# Allegro board 1281021_HW-FMC-XM500_Rev1_0.brd (continued)
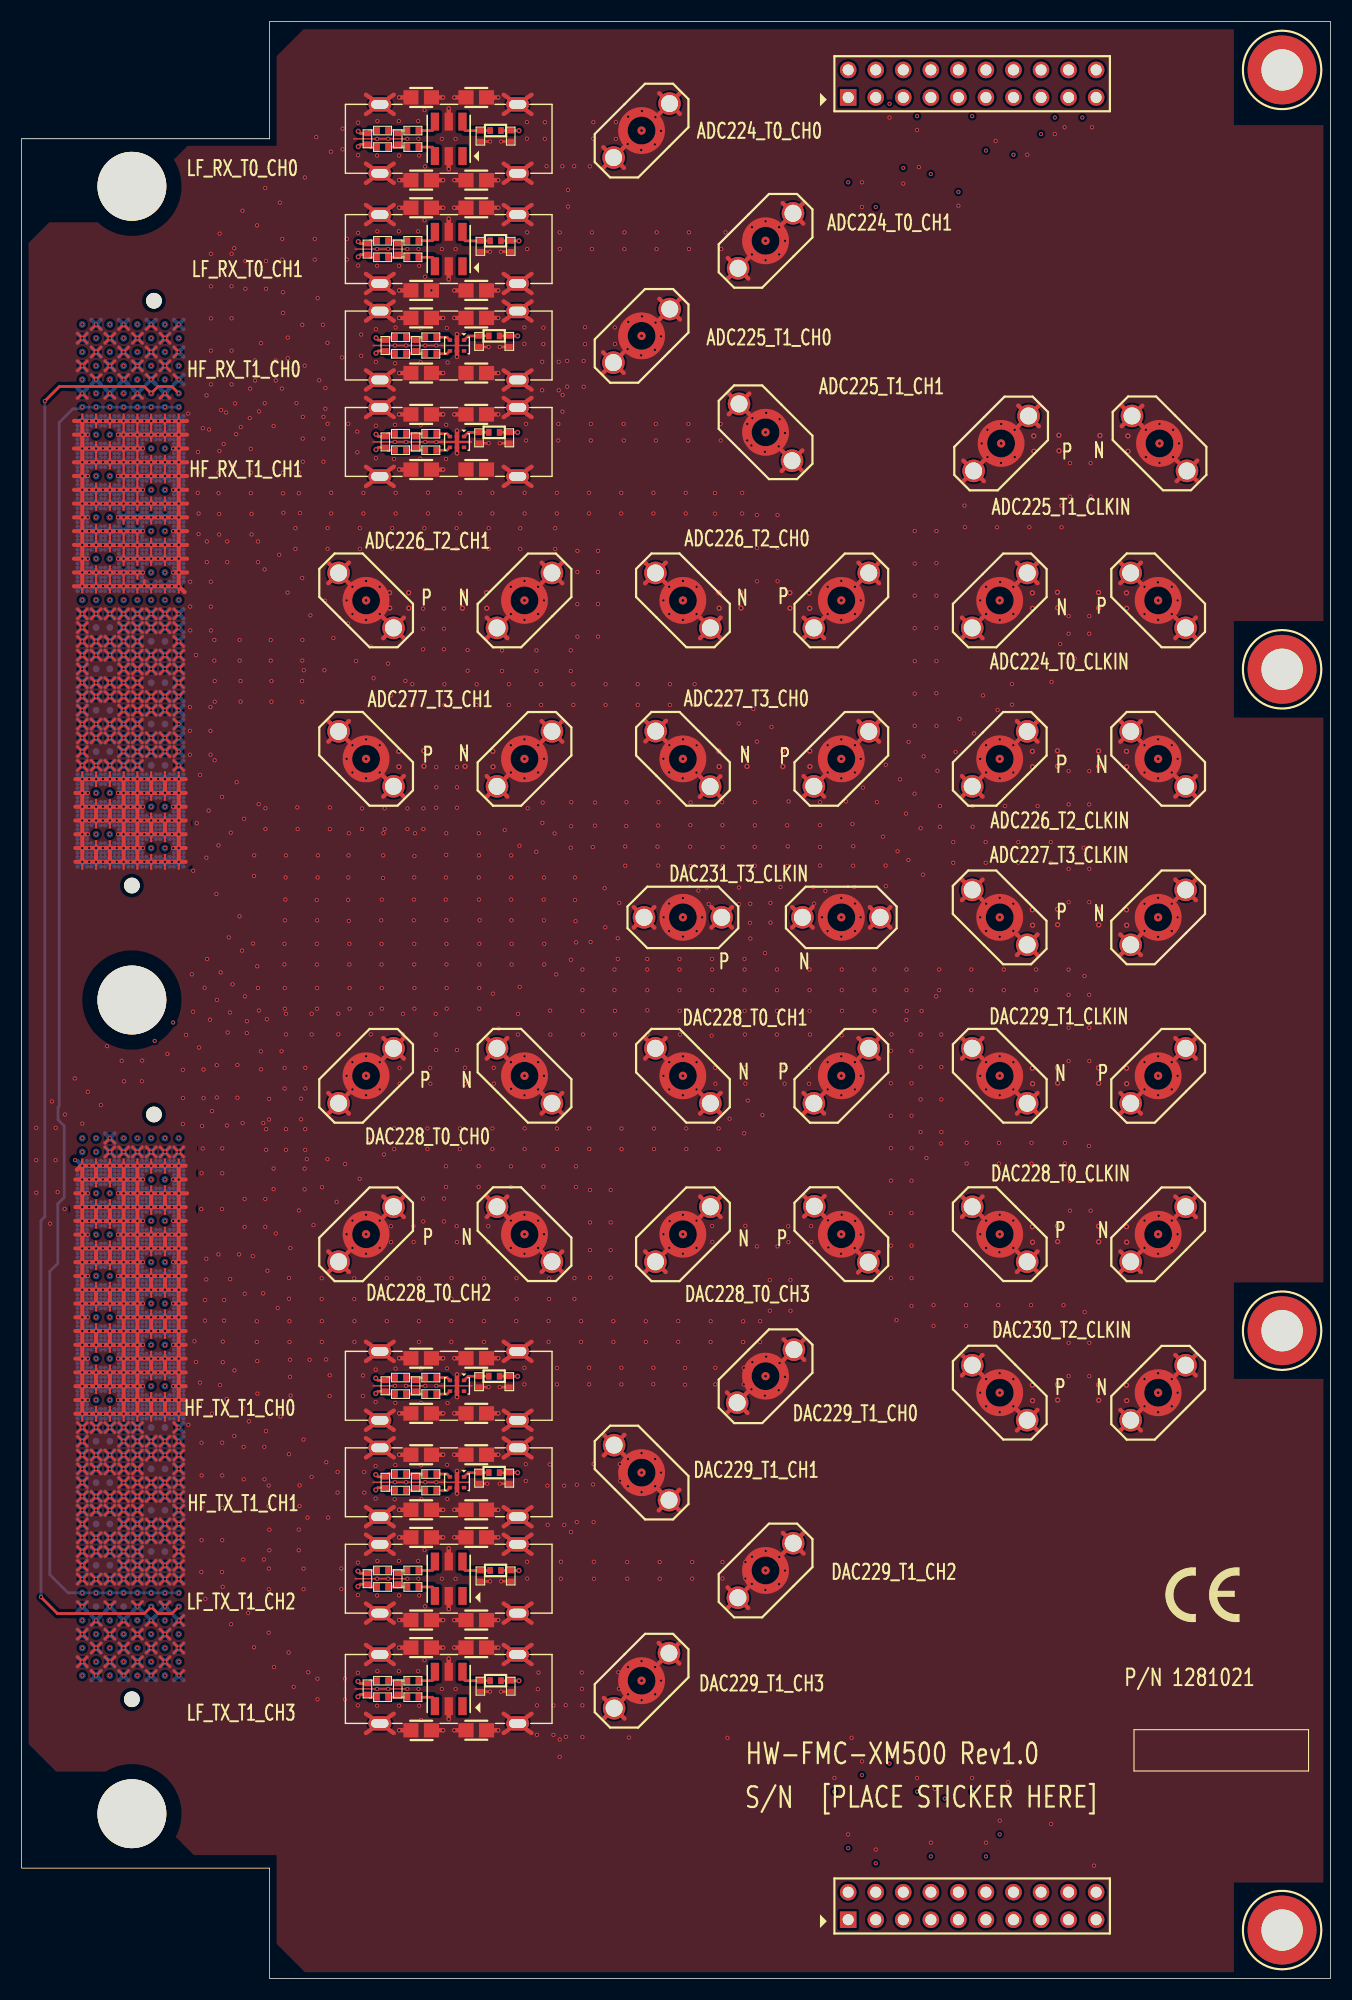
[diagram p0: board, top side]
## Routing (per net, layer and track width the routed paths; a pad name or vN(x,y) marks a point on that pad's centre or on a via; arc(x,y) is an arc through that point) (continued)
  TOP w0.241: R107.2 v2(44.07,54.49) ; R104.2 v2(43.18,36.58) ; R108.2 v2(43.05,54.49) ; v2(43.05,150.37) 42.17,150.37 R98.2 ; R95.2 v2(44.07,141.49) ; R109.2 44.95,45.59 v2(44.07,45.59) ; R102.2 v2(43.18,169.3) ; R99.2 v2(44.2,159.14) ; R110.2 42.17,45.59 v2(42.93,45.59) ; R100.2 v2(43.18,159.14) ; v2(44.07,150.37) 44.95,150.37 R97.2 ; R103.2 v2(44.2,36.58) ; R105.2 v2(44.2,26.42) ; R96.2 v2(43.05,141.49) ; R101.2 v2(44.2,169.3) ; R106.2 v2(43.18,26.42)
  TOP w0.381: v2(11.94,72.36) v2(11.3,72.36) v2(10.67,72.36) ; v2(11.94,72.36) v2(12.57,72.36) v2(13.21,72.36) ; v2(11.94,72.36) v2(11.94,71.09) ; v2(14.48,130.84) v2(13.84,130.84) v2(13.21,130.84) v2(12.57,130.84) v2(11.94,130.84) v2(11.3,130.84) v2(10.67,130.84) v2(10.03,130.84) v2(9.4,130.84) v2(8.89,130.84) ; v2(14.48,130.84) v2(14.48,129.57) ; v2(14.48,130.84) v2(14.48,132.11) ; v2(14.48,130.84) 15.24,130.84 ; v2(5.59,109.25) 4.95,109.25 ; v2(5.59,109.25) v2(5.59,110.52) ; v2(5.59,109.25) v2(5.59,107.98) ; v2(5.59,109.25) v2(6.1,109.25) ; v2(5.59,68.55) v2(5.59,69.82) ; v2(5.59,68.55) v2(5.59,67.28) ; v2(5.59,68.55) 4.95,68.55 ; v2(5.59,68.55) v2(6.1,68.55) ; v2(5.59,69.82) v2(6.22,69.82) v2(6.86,69.82) ; v2(5.59,69.82) v2(5.59,71.09) ; v2(5.59,69.82) 4.95,69.82 ; J22.3 35.23,72.06 ; J22.3 33.33,70.16 ; J22.3 33.33,72.06 ; J22.3 35.23,70.16 ; 72.08,108.91 J37.3 ; J37.3 72.08,110.81 ; J37.3 73.98,108.91 ; J37.3 73.98,110.81 ; v2(10.67,60.93) v2(10.67,62.2) ; v2(10.67,60.93) v2(10.03,60.93) v2(9.4,60.93) ; v2(10.67,60.93) v2(10.67,59.66) ; v2(10.67,60.93) v2(11.3,60.93) v2(11.94,60.93) ; v2(10.67,62.2) v2(10.03,62.2) v2(9.4,62.2) ; v2(10.67,62.2) v2(11.18,62.2) ; v2(10.67,62.2) v2(10.67,63.47) ; 31.74,139.32 RFCAGE5.1 ; RFCAGE5.1 31.74,137.54 ; RFCAGE5.1 34.3,137.54 ; RFCAGE5.1 34.3,139.32 ; v2(11.18,129.57) v2(10.67,129.57) v2(10.03,129.57) v2(9.4,129.57) v2(8.76,129.57) v2(8.13,129.57) v2(7.49,129.57) v2(6.86,129.57) v2(6.22,129.57) v2(5.59,129.57) ; v2(9.4,110.52) v2(10.03,110.52) v2(10.67,110.52) ; v2(9.4,110.52) v2(9.4,109.25) ; v2(9.4,110.52) v2(8.76,110.52) v2(8.13,110.52) v2(7.49,110.52) v2(6.86,110.52) v2(6.22,110.52) v2(5.59,110.52) ; v2(11.94,68.55) v2(12.57,68.55) v2(13.21,68.55) ; v2(11.94,68.55) v2(11.94,67.28) ; v2(11.94,68.55) v2(11.3,68.55) v2(10.67,68.55) ; 86.69,123.52 J31.3 ; J31.3 88.59,123.52 ; J31.3 86.69,125.42 ; J31.3 88.59,125.42 ; 31.74,155.32 RFCAGE7.1 ; RFCAGE7.1 34.3,155.32 ; RFCAGE7.1 31.74,157.1 ; RFCAGE7.1 34.3,157.1 ; v2(14.48,64.74) v2(14.48,63.47) ; v2(14.48,64.74) v2(14.48,66.01) ; v2(14.48,64.74) v2(13.84,64.74) v2(13.21,64.74) ; v2(14.48,64.74) 15.11,64.74 ; v2(14.48,63.47) 15.11,63.47 ; v2(14.48,63.47) v2(13.84,63.47) v2(13.21,63.47) ; v2(14.48,63.47) v2(14.48,62.2) ; 72.13,70.21 J24.3 ; J24.3 74.03,70.21 ; J24.3 74.03,72.11 ; J24.3 72.13,72.11 ; v2(9.4,62.2) v2(8.76,62.2) v2(8.13,62.2) ; v2(9.4,62.2) v2(9.4,60.93) ; v2(9.4,62.2) v2(9.4,63.47) ; v2(9.4,72.36) v2(10.03,72.36) v2(10.67,72.36) ; v2(9.4,72.36) v2(9.4,73.63) ; v2(9.4,72.36) v2(9.4,71.09) ; v2(9.4,72.36) v2(8.89,72.36) ; v2(14.48,53.31) v2(14.48,52.04) ; v2(14.48,53.31) 15.11,53.31 ; v2(14.48,53.31) v2(14.48,54.58) ; v2(14.48,53.31) v2(13.84,53.31) v2(13.21,53.31) ; v2(14.48,52.04) 15.11,52.04 ; v2(14.48,52.04) v2(13.84,52.04) v2(13.21,52.04) ; J7.3 66.91,54 ; J7.3 66.91,52.1 ; J7.3 65.01,52.1 ; J7.3 65.01,54 ; J26.2 35.23,84.77 ; J26.2 33.33,84.77 ; J26.2 33.33,86.67 ; J26.2 35.23,86.67 ; J20.2 79.05,86.67 ; J20.2 77.15,84.77 ; J20.2 79.05,84.77 ; J20.2 77.15,86.67 ; 42.87,123.52 J35.2 ; J35.2 44.77,123.52 ; J35.2 42.87,125.42 ; J35.2 44.77,125.42 ; v2(6.86,73.63) v2(7.49,73.63) v2(8.13,73.63) ; v2(6.86,73.63) v2(6.22,73.63) v2(5.59,73.63) ; v2(6.86,73.63) v2(6.86,74.9) ; v2(6.1,64.74) v2(5.59,64.74) ; v2(5.59,64.74) v2(5.59,66.01) ; v2(5.59,64.74) v2(5.59,63.47) ; v2(5.59,64.74) 4.95,64.74 ; v2(11.94,71.09) v2(12.57,71.09) v2(13.21,71.09) ; v2(11.94,71.09) v2(11.3,71.09) v2(10.67,71.09) ; v2(14.48,109.25) 15.11,109.25 ; v2(14.48,109.25) v2(14.48,110.52) ; v2(14.48,109.25) v2(13.84,109.25) v2(13.21,109.25) ; v2(14.48,109.25) v2(14.48,107.98) ; v2(14.48,105.44) v2(14.48,106.71) ; v2(14.48,105.44) v2(13.84,105.44) v2(13.21,105.44) ; v2(14.48,105.44) 15.11,105.44 ; v2(14.48,105.44) v2(14.48,104.17) ; v2(14.48,106.71) 15.11,106.71 ; v2(14.48,106.71) v2(13.84,106.71) v2(13.21,106.71) ; v2(14.48,106.71) v2(14.48,107.98) ; v2(8.13,107.98) v2(8.13,106.71) ; v2(8.13,107.98) v2(8.76,107.98) v2(9.4,107.98) ; v2(8.13,107.98) v2(7.49,107.98) v2(6.86,107.98) ; v2(8.13,106.71) v2(8.76,106.71) v2(9.4,106.71) ; v2(8.13,106.71) v2(7.49,106.71) v2(6.86,106.71) ; J1.2 67.09,144.16 ; J1.2 65.19,146.06 ; J1.2 65.19,144.16 ; J1.2 67.09,146.06 ; v2(10.67,55.85) v2(10.67,57.12) ; v2(10.67,55.85) v2(11.3,55.85) v2(11.94,55.85) ; v2(10.67,55.85) v2(10.03,55.85) v2(9.4,55.85) ; v2(10.67,55.85) v2(10.67,54.58) ; v2(10.67,57.12) v2(10.03,57.12) v2(9.4,57.12) ; v2(10.67,57.12) v2(11.3,57.12) v2(11.94,57.12) ; v2(10.67,57.12) v2(10.67,58.39) ; v2(14.48,104.17) 15.11,104.17 ; v2(14.48,104.17) v2(14.48,102.9) ; v2(14.48,104.17) v2(13.97,104.17) ; v2(14.48,102.9) v2(13.84,102.9) v2(13.21,102.9) v2(12.57,102.9) v2(11.94,102.9) v2(11.3,102.9) v2(10.67,102.9) ; v2(14.48,102.9) 15.11,102.9 ; v2(10.67,63.47) v2(10.03,63.47) v2(9.4,63.47) ; v2(10.67,63.47) v2(11.3,63.47) v2(11.94,63.47) ; v2(10.67,63.47) v2(10.67,64.74) ; v2(14.48,138.46) v2(13.84,138.46) v2(13.21,138.46) v2(12.57,138.46) v2(11.94,138.46) v2(11.3,138.46) v2(10.67,138.46) v2(10.03,138.46) v2(9.4,138.46) v2(8.89,138.46) ; v2(14.48,138.46) 15.24,138.46 ; v2(14.48,138.46) v2(14.48,139.73) ; v2(14.48,138.46) v2(14.48,137.19) ; 57.48,130.48 J32.3 ; J32.3 59.38,128.58 ; J32.3 57.48,128.58 ; J32.3 59.38,130.48 ; v2(5.59,74.9) v2(6.22,74.9) v2(6.86,74.9) ; v2(5.59,74.9) 5.46,74.9 5.08,74.51 ; v2(5.59,74.9) v2(5.59,73.63) ; RFCAGE2.1 34.3,34.55 ; RFCAGE2.1 34.3,32.76 ; RFCAGE2.1 31.74,34.55 ; RFCAGE2.1 31.74,32.76 ; v2(10.67,73.63) v2(10.03,73.63) v2(9.4,73.63) ; v2(10.67,73.63) v2(10.67,74.9) ; v2(10.67,73.63) v2(10.67,72.36) ; v2(10.67,73.63) v2(11.18,73.63) ; v2(13.21,52.04) v2(12.57,52.04) v2(11.94,52.04) ; v2(13.21,52.04) v2(13.21,53.31) ; v2(14.48,54.58) 15.11,54.58 ; v2(14.48,54.58) v2(14.48,55.85) ; v2(14.48,54.58) v2(13.97,54.58) ; v2(5.59,137.19) 4.83,137.19 ; v2(5.59,137.19) v2(5.59,135.92) ; v2(5.59,137.19) v2(5.59,138.46) ; v2(5.59,137.19) v2(6.22,137.19) v2(6.86,137.19) v2(7.49,137.19) v2(8.13,137.19) v2(8.76,137.19) v2(9.4,137.19) v2(10.03,137.19) v2(10.67,137.19) v2(11.18,137.19) ; v2(10.67,64.74) v2(10.03,64.74) v2(9.4,64.74) ; v2(10.67,64.74) v2(11.3,64.74) v2(11.94,64.74) ; v2(10.67,64.74) v2(10.67,66.01) ; J2.3 55.51,149.87 ; J2.3 53.6,147.97 ; J2.3 53.6,149.87 ; J2.3 55.51,147.97 ; 77.1,66.95 J24.2 ; J24.2 79,66.95 ; J24.2 77.1,65.05 ; J24.2 79,65.05 ; v2(5.59,141) 4.83,141 ; v2(5.59,141) v2(5.59,139.73) ; v2(5.59,141) v2(6.22,141) v2(6.86,141) v2(7.49,141) v2(8.13,141) v2(8.76,141) v2(9.4,141) v2(10.03,141) v2(10.67,141) v2(11.18,141) ; v2(5.59,141) v2(5.59,142.27) ; v2(5.59,129.57) v2(5.59,128.3) ; v2(5.59,129.57) 4.83,129.57 ; v2(5.59,129.57) v2(5.59,130.84) ; v2(14.48,129.57) v2(14.48,128.3) ; v2(14.48,129.57) v2(13.97,129.57) ; v2(14.48,129.57) 15.24,129.57 ; J35.3 49.84,128.58 ; J35.3 49.84,130.48 ; J35.3 47.94,130.48 ; J35.3 47.94,128.58 ; J31.2 93.65,128.58 ; J31.2 91.75,128.58 ; J31.2 93.65,130.48 ; J31.2 91.75,130.48 ; J889.3 93.78,143.05 ; J889.3 91.88,144.95 ; J889.3 91.88,143.05 ; J889.3 93.78,144.95 ; v2(9.4,55.85) v2(9.4,54.58) ; v2(9.4,55.85) v2(9.4,57.12) ; v2(9.4,55.85) v2(8.76,55.85) v2(8.13,55.85) ; v2(9.4,54.58) v2(9.4,53.31) ; v2(9.4,54.58) v2(8.76,54.58) v2(8.13,54.58) ; v2(9.4,54.58) v2(10.03,54.58) v2(10.67,54.58) ; v2(5.59,104.17) v2(6.22,104.17) v2(6.86,104.17) ; v2(5.59,104.17) v2(5.59,105.44) ; v2(5.59,104.17) 4.95,104.17 ; v2(5.59,104.17) v2(5.59,102.9) ; v2(5.59,105.44) 4.95,105.44 ; v2(5.59,105.44) v2(6.1,105.44) ; v2(5.59,105.44) v2(5.59,106.71) ; v2(11.94,53.31) v2(12.57,53.31) v2(13.21,53.31) ; v2(11.94,53.31) v2(11.94,52.04) ; v2(11.94,53.31) v2(11.3,53.31) v2(10.67,53.31) ; 58.73,45.03 J8.2 ; J8.2 58.73,43.13 ; J8.2 60.63,45.03 ; J8.2 60.63,43.13 ; v2(14.48,133.38) v2(13.97,133.38) ; v2(14.48,133.38) v2(14.48,132.11) ; v2(14.48,133.38) v2(14.48,134.65) ; v2(14.48,133.38) 15.24,133.38 ; v2(13.21,64.74) v2(13.21,63.47) ; v2(13.21,64.74) v2(12.57,64.74) v2(11.94,64.74) ; J898.3 93.65,52.39 ; J898.3 93.65,50.49 ; J898.3 91.75,50.49 ; J898.3 91.75,52.39 ; v2(8.13,55.85) v2(8.13,54.58) ; v2(8.13,55.85) v2(7.49,55.85) v2(6.86,55.85) ; v2(5.59,72.36) 4.95,72.36 ; v2(5.59,72.36) v2(5.59,73.63) ; v2(5.59,72.36) v2(5.59,71.09) ; v2(5.59,72.36) v2(6.1,72.36) ; J25.3 59.38,65.1 ; J25.3 59.38,67 ; J25.3 57.48,65.1 ; J25.3 57.48,67 ; v2(10.67,67.28) v2(10.67,68.55) ; v2(10.67,67.28) v2(11.3,67.28) v2(11.94,67.28) ; v2(10.67,67.28) v2(10.67,66.01) ; v2(10.67,67.28) v2(10.03,67.28) v2(9.4,67.28) ; v2(10.67,68.55) v2(10.03,68.55) v2(9.4,68.55) ; v2(10.67,68.55) v2(10.67,69.82) ; J21.2 64.44,81.6 ; J21.2 64.44,79.7 ; J21.2 62.54,79.7 ; J21.2 62.54,81.6 ; RFCAGE5.4 34.3,143.89 ; RFCAGE5.4 34.3,145.67 ; RFCAGE5.4 31.74,143.89 ; RFCAGE5.4 31.74,145.67 ; 106.36,99.37 J892.2 ; J892.2 108.26,99.37 ; J892.2 108.26,101.27 ; J892.2 106.36,101.27 ; v2(9.4,59.66) v2(8.76,59.66) v2(8.13,59.66) ; v2(9.4,59.66) v2(9.4,60.93) ; v2(9.4,59.66) v2(10.03,59.66) v2(10.67,59.66) ; v2(9.4,59.66) v2(9.4,58.39) ; J1.3 71.97,140.83 ; J1.3 70.07,138.92 ; J1.3 71.97,138.92 ; J1.3 70.07,140.83 ; J898.2 88.59,57.46 ; J898.2 86.69,57.46 ; J898.2 88.59,55.56 ; J898.2 86.69,55.56 ; v2(11.94,60.93) v2(12.57,60.93) v2(13.21,60.93) ; v2(11.94,60.93) v2(11.94,59.66) ; J3.3 67,158.57 ; J3.3 67,156.66 ; J3.3 65.1,156.66 ; J3.3 65.1,158.57 ; J29.2 103.19,67 ; J29.2 101.29,67 ; J29.2 101.29,65.1 ; J29.2 103.19,65.1 ; J891.2 93.65,94.31 ; J891.2 91.75,96.21 ; J891.2 91.75,94.31 ; J891.2 93.65,96.21 ; 44.44,157.1 RFCAGE7.2 ; RFCAGE7.2 47,155.32 ; RFCAGE7.2 47,157.1 ; RFCAGE7.2 44.44,155.32 ; J896.3 108.26,84.77 ; J896.3 108.26,86.67 ; J896.3 106.36,84.77 ; J896.3 106.36,86.67 ; RFCAGE4.3 47,56.89 ; RFCAGE4.3 44.44,56.89 ; RFCAGE4.3 47,58.68 ; RFCAGE4.3 44.44,58.68 ; J28.3 93.65,65.1 ; J28.3 91.75,67 ; J28.3 93.65,67 ; J28.3 91.75,65.1 ; v2(14.48,60.93) 15.11,60.93 ; v2(14.48,60.93) v2(13.84,60.93) v2(13.21,60.93) ; v2(14.48,60.93) v2(14.48,62.2) ; v2(14.48,60.93) v2(14.48,59.66) ; v2(10.67,110.52) v2(10.67,109.25) ; v2(10.67,110.52) v2(11.3,110.52) v2(11.94,110.52) ; v2(10.67,109.25) v2(10.67,107.98) ; v2(10.67,109.25) v2(11.3,109.25) v2(11.94,109.25) ; v2(10.67,109.25) v2(10.03,109.25) v2(9.4,109.25) ; 63.59,96.84 J900.3 ; J900.3 63.59,98.74 ; J900.3 65.49,96.84 ; J900.3 65.49,98.74 ; J895.2 88.59,84.77 ; J895.2 88.59,86.67 ; J895.2 86.69,84.77 ; J895.2 86.69,86.67 ; RFCAGE3.4 34.3,48 ; RFCAGE3.4 31.74,48 ; RFCAGE3.4 34.3,49.79 ; RFCAGE3.4 31.74,49.79 ; RFCAGE3.2 47,41.65 ; RFCAGE3.2 47,43.44 ; RFCAGE3.2 44.44,41.65 ; RFCAGE3.2 44.44,43.44 ; v2(5.59,135.92) 4.83,135.92 ; v2(5.59,135.92) v2(6.22,135.92) v2(6.86,135.92) v2(7.49,135.92) v2(8.13,135.92) v2(8.76,135.92) v2(9.4,135.92) v2(10.03,135.92) v2(10.67,135.92) v2(11.3,135.92) v2(11.94,135.92) v2(12.57,135.92) v2(13.21,135.92) v2(13.84,135.92) v2(14.48,135.92) ; v2(5.59,135.92) v2(5.59,134.65) ; v2(8.13,63.47) v2(8.13,62.2) ; v2(8.13,63.47) v2(7.49,63.47) v2(6.86,63.47) ; v2(8.13,63.47) v2(8.76,63.47) v2(9.4,63.47) ; v2(8.13,62.2) v2(7.49,62.2) v2(6.86,62.2) ; v2(14.48,62.2) 15.11,62.2 ; v2(14.48,62.2) v2(13.97,62.2) ; v2(5.59,133.38) 4.83,133.38 ; v2(5.59,133.38) v2(6.22,133.38) v2(6.86,133.38) v2(7.49,133.38) v2(8.13,133.38) v2(8.76,133.38) v2(9.4,133.38) v2(10.03,133.38) v2(10.67,133.38) v2(11.18,133.38) ; v2(5.59,133.38) v2(5.59,134.65) ; v2(5.59,133.38) v2(5.59,132.11) ; J22.2 30.17,65.1 ; J22.2 30.17,67 ; J22.2 28.27,67 ; J22.2 28.27,65.1 ; v2(9.4,73.63) v2(8.76,73.63) v2(8.13,73.63) ; v2(9.4,73.63) v2(9.4,74.9) ; v2(11.94,67.28) v2(12.57,67.28) v2(13.21,67.28) ; 44.44,32.76 RFCAGE2.2 ; RFCAGE2.2 47,32.76 ; RFCAGE2.2 47,34.55 ; RFCAGE2.2 44.44,34.55 ; RFCAGE4.1 34.3,50.54 ; RFCAGE4.1 34.3,52.33 ; RFCAGE4.1 31.74,50.54 ; RFCAGE4.1 31.74,52.33 ; v2(11.94,105.44) v2(11.3,105.44) v2(10.67,105.44) ; v2(11.94,105.44) v2(12.57,105.44) v2(13.21,105.44) ; v2(11.94,105.44) v2(11.94,106.71) ; J900.2 58.33,98.74 ; J900.2 56.43,98.74 ; J900.2 58.33,96.84 ; J900.2 56.43,96.84 ; 58.78,171.84 J4.2 ; J4.2 58.78,173.75 ; J4.2 60.68,173.75 ; J4.2 60.68,171.84 ; J899.2 72.93,96.84 ; J899.2 72.93,98.74 ; J899.2 71.03,96.84 ; J899.2 71.03,98.74 ; v2(14.48,135.92) 15.24,135.92 ; v2(14.48,135.92) v2(14.48,134.65) ; v2(14.48,135.92) v2(14.48,137.19) ; v2(10.67,102.9) v2(10.03,102.9) v2(9.4,102.9) ; v2(10.67,102.9) v2(10.67,104.17) ; v2(6.1,142.27) v2(5.59,142.27) ; v2(5.59,142.27) v2(5.59,143.54) ; v2(5.59,142.27) 4.83,142.27 ; v2(8.13,59.66) v2(8.13,58.39) ; v2(8.13,59.66) v2(7.49,59.66) v2(6.86,59.66) ; v2(8.13,58.39) v2(8.76,58.39) v2(9.4,58.39) ; v2(8.13,58.39) v2(7.49,58.39) v2(6.86,58.39) ; v2(5.59,107.98) 4.95,107.98 ; v2(5.59,107.98) v2(6.22,107.98) v2(6.86,107.98) ; v2(5.59,107.98) v2(5.59,106.71) ; v2(5.59,128.3) v2(6.22,128.3) v2(6.86,128.3) v2(7.49,128.3) v2(8.13,128.3) v2(8.76,128.3) v2(9.4,128.3) v2(10.03,128.3) v2(10.67,128.3) v2(11.3,128.3) v2(11.94,128.3) v2(12.57,128.3) v2(13.21,128.3) v2(13.84,128.3) v2(14.48,128.3) ; v2(5.59,128.3) 4.83,128.3 ; v2(11.94,63.47) v2(11.94,64.74) ; v2(11.94,63.47) v2(12.57,63.47) v2(13.21,63.47) ; v2(5.59,59.66) v2(5.59,58.39) ; v2(5.59,59.66) v2(6.22,59.66) v2(6.86,59.66) ; v2(5.59,59.66) 4.95,59.66 ; v2(5.59,59.66) v2(5.59,60.93) ; v2(5.59,58.39) v2(6.22,58.39) v2(6.86,58.39) ; v2(5.59,58.39) v2(5.59,57.12) ; v2(5.59,58.39) 4.95,58.39 ; v2(9.4,53.31) v2(10.03,53.31) v2(10.67,53.31) ; v2(9.4,53.31) v2(8.89,53.31) ; v2(9.4,53.31) v2(9.4,52.04) ; v2(6.86,62.2) v2(6.86,63.47) ; v2(6.86,62.2) v2(6.22,62.2) v2(5.59,62.2) ; v2(6.86,63.47) v2(6.22,63.47) v2(5.59,63.47) ; 62.54,125.42 J32.2 ; J32.2 64.44,125.42 ; J32.2 64.44,123.52 ; J32.2 62.54,123.52 ; v2(14.48,55.85) 15.11,55.85 ; v2(14.48,55.85) v2(14.48,57.12) ; v2(14.48,55.85) v2(13.84,55.85) v2(13.21,55.85) ; J39.2 30.17,113.98 ; J39.2 28.27,113.98 ; J39.2 30.17,115.88 ; J39.2 28.27,115.88 ; v2(5.59,67.28) 4.95,67.28 ; v2(5.59,67.28) v2(5.59,66.01) ; v2(5.59,67.28) v2(6.22,67.28) v2(6.86,67.28) ; v2(14.48,128.3) 15.02,127.77 ; 106.36,110.81 J894.3 ; J894.3 108.26,108.91 ; J894.3 106.36,108.91 ; J894.3 108.26,110.81 ; J895.3 93.65,81.6 ; J895.3 91.75,79.7 ; J895.3 93.65,79.7 ; J895.3 91.75,81.6 ; v2(9.4,66.01) v2(10.03,66.01) v2(10.67,66.01) ; v2(9.4,66.01) v2(8.76,66.01) v2(8.13,66.01) ; v2(9.4,66.01) v2(9.4,64.74) ; v2(9.4,66.01) v2(9.4,67.28) ; 31.74,30.74 RFCAGE1.4 ; RFCAGE1.4 34.3,30.74 ; RFCAGE1.4 34.3,28.95 ; RFCAGE1.4 31.74,28.95 ; 86.69,110.81 J893.3 ; J893.3 88.59,108.91 ; J893.3 88.59,110.81 ; J893.3 86.69,108.91 ; 47.94,67 J23.2 ; J23.2 49.84,65.1 ; J23.2 49.84,67 ; J23.2 47.94,65.1 ; J33.2 73.98,125.42 ; J33.2 72.08,125.42 ; J33.2 73.98,123.52 ; J33.2 72.08,123.52 ; v2(6.86,107.98) v2(6.86,106.71) ; RFCAGE3.1 34.3,41.65 ; RFCAGE3.1 31.74,43.44 ; RFCAGE3.1 31.74,41.65 ; RFCAGE3.1 34.3,43.44 ; v2(10.67,53.31) v2(10.67,54.58) ; v2(10.67,53.31) v2(10.67,52.04) ; v2(10.67,54.58) v2(11.18,54.58) ; RFCAGE2.3 47,40.9 ; RFCAGE2.3 47,39.11 ; RFCAGE2.3 44.44,39.11 ; RFCAGE2.3 44.44,40.9 ; v2(9.4,105.44) v2(10.03,105.44) v2(10.67,105.44) ; v2(9.4,105.44) v2(9.4,104.17) ; v2(9.4,105.44) v2(8.89,105.44) ; v2(9.4,105.44) v2(9.4,106.71) ; v2(5.59,71.09) v2(6.22,71.09) v2(6.86,71.09) ; v2(5.59,71.09) 4.95,71.09 ; J28.2 88.59,70.16 ; J28.2 88.59,72.06 ; J28.2 86.69,70.16 ; J28.2 86.69,72.06 ; v2(10.67,69.82) v2(10.03,69.82) v2(9.4,69.82) ; v2(10.67,69.82) v2(10.67,71.09) ; v2(10.67,69.82) v2(11.18,69.82) ; 31.74,146.43 RFCAGE6.1 ; RFCAGE6.1 31.74,148.21 ; RFCAGE6.1 34.3,148.21 ; RFCAGE6.1 34.3,146.43 ; v2(11.94,52.04) v2(11.3,52.04) v2(10.67,52.04) ; RFCAGE7.3 47,161.67 ; RFCAGE7.3 44.44,161.67 ; RFCAGE7.3 47,163.45 ; RFCAGE7.3 44.44,163.45 ; v2(9.4,69.82) v2(9.4,71.09) ; v2(9.4,69.82) v2(8.76,69.82) v2(8.13,69.82) ; v2(9.4,69.82) v2(9.4,68.55) ; v2(6.86,69.82) v2(6.86,71.09) ; v2(6.86,69.82) v2(7.49,69.82) v2(8.13,69.82) ; v2(6.86,71.09) v2(7.49,71.09) v2(8.13,71.09) ; v2(5.59,54.58) v2(5.59,53.31) ; v2(5.59,54.58) v2(5.59,55.85) ; v2(5.59,54.58) v2(6.22,54.58) v2(6.86,54.58) ; v2(5.59,54.58) 4.95,54.58 ; v2(5.59,53.31) v2(5.59,52.04) ; v2(5.59,53.31) v2(6.1,53.31) ; v2(5.59,53.31) 4.95,53.31 ; RFCAGE4.2 47,50.54 ; RFCAGE4.2 47,52.33 ; RFCAGE4.2 44.44,50.54 ; RFCAGE4.2 44.44,52.33 ; RFCAGE4.4 34.3,58.68 ; RFCAGE4.4 31.74,58.68 ; RFCAGE4.4 34.3,56.89 ; RFCAGE4.4 31.74,56.89 ; v2(13.21,67.28) v2(13.84,67.28) v2(14.48,67.28) ; v2(13.21,67.28) v2(13.21,68.55) ; v2(14.48,72.36) v2(14.48,71.09) ; v2(14.48,72.36) v2(14.48,73.63) ; v2(14.48,72.36) 15.24,72.36 ; v2(14.48,72.36) v2(13.84,72.36) v2(13.21,72.36) ; v2(14.48,71.09) v2(14.48,69.82) ; v2(14.48,71.09) 15.11,71.09 ; v2(14.48,71.09) v2(13.84,71.09) v2(13.21,71.09) ; v2(9.4,58.39) v2(10.03,58.39) v2(10.67,58.39) ; v2(9.4,58.39) v2(9.4,57.12) ; v2(8.13,67.28) v2(8.76,67.28) v2(9.4,67.28) ; v2(8.13,67.28) v2(8.13,66.01) ; v2(8.13,67.28) v2(7.49,67.28) v2(6.86,67.28) ; v2(14.48,134.65) v2(13.84,134.65) v2(13.21,134.65) v2(12.57,134.65) v2(11.94,134.65) v2(11.3,134.65) v2(10.67,134.65) v2(10.03,134.65) v2(9.4,134.65) v2(8.89,134.65) ; v2(14.48,134.65) 15.24,134.65 ; v2(9.4,104.17) v2(8.76,104.17) v2(8.13,104.17) ; v2(9.4,104.17) v2(10.03,104.17) v2(10.67,104.17) ; v2(9.4,104.17) v2(9.4,102.9) ; v2(6.86,74.9) v2(7.49,74.9) v2(8.13,74.9) ; v2(11.94,57.12) v2(11.94,55.85) ; v2(11.94,57.12) v2(12.57,57.12) v2(13.21,57.12) ; 57.5,115.9 J36.3 ; J36.3 57.5,114 ; J36.3 59.4,114 ; J36.3 59.4,115.9 ; v2(13.21,110.52) v2(12.57,110.52) v2(11.94,110.52) ; v2(13.21,110.52) v2(13.84,110.52) v2(14.48,110.52) ; v2(13.21,110.52) v2(13.21,109.25) ; 47.94,113.98 J40.3 ; J40.3 47.94,115.88 ; J40.3 49.84,113.98 ; J40.3 49.84,115.88 ; v2(10.67,107.98) v2(10.03,107.98) v2(9.4,107.98) ; v2(10.67,107.98) v2(10.67,106.71) ; v2(10.67,107.98) v2(11.18,107.98) ; v2(6.86,54.58) v2(7.49,54.58) v2(8.13,54.58) ; v2(6.86,54.58) v2(6.86,55.85) ; v2(9.4,107.98) v2(9.4,109.25) ; v2(9.4,107.98) v2(9.4,106.71) ; J8.3 55.57,50.09 ; J8.3 55.57,48.19 ; J8.3 53.67,50.09 ; J8.3 53.67,48.19 ; v2(10.67,74.9) v2(11.3,74.9) v2(11.94,74.9) v2(12.57,74.9) v2(13.21,74.9) v2(13.84,74.9) v2(14.48,74.9) ; v2(10.67,74.9) v2(10.03,74.9) v2(9.4,74.9) ; 62.54,72.06 J25.2 ; J25.2 62.54,70.16 ; J25.2 64.44,72.06 ; J25.2 64.44,70.16 ; J896.2 103.19,79.7 ; J896.2 103.19,81.6 ; J896.2 101.29,81.6 ; J896.2 101.29,79.7 ; v2(10.67,58.39) v2(11.18,58.39) ; v2(10.67,58.39) v2(10.67,59.66) ; 106.36,123.52 J30.3 ; J30.3 106.36,125.42 ; J30.3 108.26,125.42 ; J30.3 108.26,123.52 ; RFCAGE6.2 47,148.21 ; RFCAGE6.2 47,146.43 ; RFCAGE6.2 44.44,146.43 ; RFCAGE6.2 44.44,148.21 ; 70.25,58.9 J7.2 ; J7.2 70.25,56.99 ; J7.2 72.15,56.99 ; J7.2 72.15,58.9 ; v2(14.48,142.27) 15.24,142.27 ; v2(14.48,142.27) v2(14.48,143.54) ; v2(14.48,142.27) v2(13.84,142.27) v2(13.21,142.27) v2(12.57,142.27) v2(11.94,142.27) v2(11.3,142.27) v2(10.67,142.27) v2(10.03,142.27) v2(9.4,142.27) v2(8.89,142.27) ; v2(14.48,142.27) v2(14.48,141) ; J27.2 49.84,79.7 ; J27.2 47.94,79.7 ; J27.2 49.84,81.6 ; J27.2 47.94,81.6 ; RFCAGE3.3 47,49.79 ; RFCAGE3.3 44.44,48 ; RFCAGE3.3 44.44,49.79 ; RFCAGE3.3 47,48 ; v2(8.13,104.17) v2(7.49,104.17) v2(6.86,104.17) ; v2(8.13,104.17) v2(8.13,102.9) ; v2(14.48,137.19) v2(13.97,137.19) ; v2(14.48,137.19) 15.24,137.19 ; v2(8.89,68.55) v2(9.4,68.55) ; v2(9.4,68.55) v2(9.4,67.28) ; v2(5.59,66.01) 4.95,66.01 ; v2(5.59,66.01) v2(6.22,66.01) v2(6.86,66.01) ; v2(9.4,64.74) v2(8.89,64.74) ; v2(9.4,64.74) v2(9.4,63.47) ; v2(5.59,57.12) v2(6.1,57.12) ; v2(5.59,57.12) v2(5.59,55.85) ; v2(5.59,57.12) 4.95,57.12 ; 106.36,55.56 J897.3 ; J897.3 108.26,55.56 ; J897.3 106.36,57.46 ; J897.3 108.26,57.46 ; 44.44,173.61 RFCAGE8.3 ; RFCAGE8.3 47,173.61 ; RFCAGE8.3 44.44,171.83 ; RFCAGE8.3 47,171.83 ; v2(13.21,55.85) v2(13.21,57.12) ; v2(13.21,55.85) v2(12.57,55.85) v2(11.94,55.85) ; 77.15,113.98 J37.2 ; J37.2 79.05,113.98 ; J37.2 79.05,115.88 ; J37.2 77.15,115.88 ; v2(9.4,71.09) v2(8.76,71.09) v2(8.13,71.09) ; v2(9.4,71.09) v2(10.03,71.09) v2(10.67,71.09) ; J2.2 60.7,154.8 ; J2.2 58.79,154.8 ; J2.2 58.79,152.9 ; J2.2 60.7,152.9 ; v2(13.21,72.36) v2(13.21,71.09) ; v2(9.4,57.12) v2(8.89,57.12) ; v2(14.48,132.11) 15.24,132.11 ; v2(14.48,132.11) v2(13.84,132.11) v2(13.21,132.11) v2(12.57,132.11) v2(11.94,132.11) v2(11.3,132.11) v2(10.67,132.11) v2(10.03,132.11) v2(9.4,132.11) v2(8.76,132.11) v2(8.13,132.11) v2(7.49,132.11) v2(6.86,132.11) v2(6.22,132.11) v2(5.59,132.11) ; v2(14.48,58.39) v2(14.48,57.12) ; v2(14.48,58.39) 15.11,58.39 ; v2(14.48,58.39) v2(14.48,59.66) ; v2(14.48,58.39) v2(13.97,58.39) ; v2(14.48,57.12) 15.11,57.12 ; v2(14.48,57.12) v2(13.84,57.12) v2(13.21,57.12) ; J34.2 35.23,125.42 ; J34.2 35.23,123.52 ; J34.2 33.33,123.52 ; J34.2 33.33,125.42 ; v2(11.94,59.66) v2(11.3,59.66) v2(10.67,59.66) ; v2(11.94,59.66) v2(12.57,59.66) v2(13.21,59.66) ; v2(10.67,66.01) v2(11.18,66.01) ; J899.3 80.1,98.74 ; J899.3 78.2,98.74 ; J899.3 80.1,96.84 ; J899.3 78.2,96.84 ; 33.33,108.91 J39.3 ; J39.3 35.23,110.81 ; J39.3 33.33,110.81 ; J39.3 35.23,108.91 ; 101.29,115.88 J894.2 ; J894.2 103.19,113.98 ; J894.2 103.19,115.88 ; J894.2 101.29,113.98 ; v2(5.59,138.46) v2(5.59,139.73) ; v2(5.59,138.46) v2(6.1,138.46) ; v2(5.59,138.46) 4.83,138.46 ; v2(5.59,139.73) 4.83,139.73 ; v2(5.59,139.73) v2(6.22,139.73) v2(6.86,139.73) v2(7.49,139.73) v2(8.13,139.73) v2(8.76,139.73) v2(9.4,139.73) v2(10.03,139.73) v2(10.67,139.73) v2(11.3,139.73) v2(11.94,139.73) v2(12.57,139.73) v2(13.21,139.73) v2(13.84,139.73) v2(14.48,139.73) ; 77.15,130.48 J33.3 ; J33.3 79.05,130.48 ; J33.3 77.15,128.58 ; J33.3 79.05,128.58 ; RFCAGE2.4 34.3,39.11 ; RFCAGE2.4 31.74,40.9 ; RFCAGE2.4 34.3,40.9 ; RFCAGE2.4 31.74,39.11 ; 72.08,81.6 J20.3 ; J20.3 72.08,79.7 ; J20.3 73.98,79.7 ; J20.3 73.98,81.6 ; J27.3 44.77,84.77 ; J27.3 42.87,84.77 ; J27.3 44.77,86.67 ; J27.3 42.87,86.67 ; v2(14.48,73.63) 15.11,73.63 ; v2(14.48,73.63) v2(13.97,73.63) ; v2(14.48,73.63) v2(14.48,74.9) ; 53.62,166.87 J4.3 ; J4.3 53.62,168.77 ; J4.3 55.52,168.77 ; J4.3 55.52,166.87 ; v2(8.13,73.63) v2(8.13,74.9) ; v2(14.48,74.9) 15.11,74.9 ; v2(13.21,105.44) v2(13.21,106.71) ; 31.74,167.26 RFCAGE8.1 ; RFCAGE8.1 31.74,165.48 ; RFCAGE8.1 34.3,165.48 ; RFCAGE8.1 34.3,167.26 ; RFCAGE5.3 47,143.89 ; RFCAGE5.3 44.44,143.89 ; RFCAGE5.3 44.44,145.67 ; RFCAGE5.3 47,145.67 ; RFCAGE8.2 47,167.26 ; RFCAGE8.2 47,165.48 ; RFCAGE8.2 44.44,165.48 ; RFCAGE8.2 44.44,167.26 ; v2(5.59,63.47) v2(5.59,62.2) ; v2(5.59,63.47) 4.95,63.47 ; v2(5.59,62.2) v2(5.59,60.93) ; v2(5.59,62.2) 4.95,62.2 ; v2(5.59,102.9) 4.95,102.9 ; v2(5.59,102.9) v2(6.22,102.9) v2(6.86,102.9) ; v2(14.48,67.28) v2(14.48,66.01) ; v2(14.48,67.28) v2(14.48,68.55) ; v2(14.48,67.28) 15.11,67.28 ; v2(14.48,66.01) v2(13.97,66.01) ; v2(14.48,66.01) 15.11,66.01 ; 31.74,163.45 RFCAGE7.4 ; RFCAGE7.4 34.3,161.67 ; RFCAGE7.4 31.74,161.67 ; RFCAGE7.4 34.3,163.45 ; v2(14.48,110.52) 15.11,110.52 ; J40.2 44.77,108.91 ; J40.2 44.77,110.81 ; J40.2 42.87,110.81 ; J40.2 42.87,108.91 ; 101.42,144.95 J890.2 ; J890.2 103.32,143.05 ; J890.2 101.42,143.05 ; J890.2 103.32,144.95 ; v2(8.13,66.01) v2(7.49,66.01) v2(6.86,66.01) ; J889.2 88.72,139.89 ; J889.2 86.81,137.99 ; J889.2 86.81,139.89 ; J889.2 88.72,137.99 ; v2(5.59,55.85) v2(6.22,55.85) v2(6.86,55.85) ; v2(5.59,55.85) 4.95,55.85 ; v2(6.86,67.28) v2(6.86,66.01) ; v2(13.97,107.98) v2(14.48,107.98) ; v2(14.48,107.98) 15.11,107.98 ; 31.74,152.78 RFCAGE6.4 ; RFCAGE6.4 34.3,154.56 ; RFCAGE6.4 31.74,154.56 ; RFCAGE6.4 34.3,152.78 ; J890.3 108.38,139.89 ; J890.3 106.48,139.89 ; J890.3 108.38,137.99 ; J890.3 106.48,137.99 ; v2(5.59,110.52) 4.95,110.52 ; 53.67,25.84 J6.3 ; J6.3 55.57,23.94 ; J6.3 55.57,25.84 ; J6.3 53.67,23.94 ; v2(14.48,69.82) v2(13.97,69.82) ; v2(14.48,69.82) v2(14.48,68.55) ; v2(14.48,69.82) 15.11,69.82 ; v2(6.86,58.39) v2(6.86,59.66) ; J892.3 103.19,94.31 ; J892.3 101.29,94.31 ; J892.3 103.19,96.21 ; J892.3 101.29,96.21 ; v2(9.4,60.93) v2(8.89,60.93) ; J3.2 72.06,161.73 ; J3.2 70.16,161.73 ; J3.2 70.16,163.63 ; J3.2 72.06,163.63 ; v2(11.94,109.25) v2(12.57,109.25) v2(13.21,109.25) ; v2(11.94,109.25) v2(11.94,110.52) ; 58.73,30.92 J6.2 ; J6.2 60.63,30.92 ; J6.2 60.63,29.02 ; J6.2 58.73,29.02 ; v2(9.4,106.71) v2(10.03,106.71) v2(10.67,106.71) ; v2(8.13,71.09) v2(8.13,69.82) ; v2(9.4,109.25) v2(8.89,109.25) ; v2(10.67,71.09) v2(10.67,72.36) ; 101.29,130.48 J30.2 ; J30.2 103.19,128.58 ; J30.2 103.19,130.48 ; J30.2 101.29,128.58 ; v2(10.67,106.71) v2(10.67,105.44) ; v2(10.67,106.71) v2(11.3,106.71) v2(11.94,106.71) ; v2(10.67,105.44) v2(10.67,104.17) ; v2(10.67,104.17) v2(11.18,104.17) ; 91.75,113.98 J893.2 ; J893.2 93.65,113.98 ; J893.2 93.65,115.88 ; J893.2 91.75,115.88 ; v2(10.67,52.04) v2(10.03,52.04) v2(9.4,52.04) ; J21.3 59.38,84.77 ; J21.3 59.38,86.67 ; J21.3 57.48,84.77 ; J21.3 57.48,86.67 ; 70.18,41.05 J5.2 ; J5.2 72.08,41.05 ; J5.2 72.08,39.15 ; J5.2 70.18,39.15 ; v2(5.59,73.63) 4.95,73.63 ; RFCAGE1.3 47,28.95 ; RFCAGE1.3 47,30.74 ; RFCAGE1.3 44.44,28.95 ; RFCAGE1.3 44.44,30.74 ; 31.74,171.83 RFCAGE8.4 ; RFCAGE8.4 34.3,171.83 ; RFCAGE8.4 31.74,173.61 ; RFCAGE8.4 34.3,173.61 ; v2(13.21,68.55) v2(13.84,68.55) v2(14.48,68.55) ; 101.29,50.49 J897.2 ; J897.2 101.29,52.39 ; J897.2 103.19,52.39 ; J897.2 103.19,50.49 ; v2(14.48,68.55) 15.11,68.55 ; v2(14.48,143.54) 15.24,143.54 ; v2(14.48,143.54) v2(13.84,143.54) v2(13.21,143.54) v2(12.57,143.54) v2(11.94,143.54) v2(11.3,143.54) v2(10.67,143.54) v2(10.03,143.54) v2(9.4,143.54) v2(8.76,143.54) v2(8.13,143.54) v2(7.49,143.54) v2(6.86,143.54) v2(6.22,143.54) v2(5.59,143.54) ; v2(8.13,74.9) v2(8.76,74.9) v2(9.4,74.9) ; v2(14.48,139.73) v2(14.48,141) ; v2(14.48,139.73) 15.24,139.73 ; v2(14.48,141) 15.24,141 ; v2(14.48,141) v2(13.97,141) ; v2(13.21,60.93) v2(13.21,59.66) ; J26.3 30.17,79.7 ; J26.3 30.17,81.6 ; J26.3 28.27,81.6 ; J26.3 28.27,79.7 ; RFCAGE6.3 47,154.56 ; RFCAGE6.3 47,152.78 ; RFCAGE6.3 44.44,154.56 ; RFCAGE6.3 44.44,152.78 ; J891.3 88.59,99.37 ; J891.3 88.59,101.27 ; J891.3 86.69,101.27 ; J891.3 86.69,99.37 ; 65.08,36.03 J5.3 ; J5.3 66.98,34.13 ; J5.3 66.98,36.03 ; J5.3 65.08,34.13 ; v2(9.4,52.04) v2(8.76,52.04) v2(8.13,52.04) v2(7.49,52.04) v2(6.86,52.04) v2(6.22,52.04) v2(5.59,52.04) ; v2(6.86,104.17) v2(6.86,102.9) ; RFCAGE1.2 47,22.6 ; RFCAGE1.2 44.44,22.6 ; RFCAGE1.2 47,24.39 ; RFCAGE1.2 44.44,24.39 ; v2(13.21,106.71) v2(12.57,106.71) v2(11.94,106.71) ; v2(8.13,102.9) v2(7.49,102.9) v2(6.86,102.9) ; v2(8.13,102.9) v2(8.76,102.9) v2(9.4,102.9) ; 42.87,70.16 J23.3 ; J23.3 44.77,72.06 ; J23.3 42.87,72.06 ; J23.3 44.77,70.16 ; v2(5.59,52.04) 4.95,52.04 ; v2(6.86,106.71) v2(6.22,106.71) v2(5.59,106.71) ; 28.27,130.48 J34.3 ; J34.3 30.17,128.58 ; J34.3 28.27,128.58 ; J34.3 30.17,130.48 ; v2(5.59,130.84) v2(6.1,130.84) ; v2(5.59,130.84) 4.83,130.84 ; v2(5.59,130.84) v2(5.59,132.11) ; 44.44,137.54 RFCAGE5.2 ; RFCAGE5.2 44.44,139.32 ; RFCAGE5.2 47,137.54 ; RFCAGE5.2 47,139.32 ; v2(5.59,60.93) 4.95,60.93 ; v2(5.59,60.93) v2(6.1,60.93) ; 106.36,70.16 J29.3 ; J29.3 108.26,72.06 ; J29.3 106.36,72.06 ; J29.3 108.26,70.16 ; v2(5.59,132.11) 4.83,132.11 ; J36.2 64.42,110.79 ; J36.2 62.52,110.79 ; J36.2 62.52,108.89 ; J36.2 64.42,108.89 ; v2(5.59,106.71) 4.95,106.71 ; v2(14.48,59.66) 15.11,59.66 ; v2(14.48,59.66) v2(13.84,59.66) v2(13.21,59.66) ; v2(5.59,143.54) 4.83,143.54 ; 31.74,22.6 RFCAGE1.1 ; RFCAGE1.1 31.74,24.39 ; RFCAGE1.1 34.3,22.6 ; RFCAGE1.1 34.3,24.39 ; v2(5.59,134.65) 4.83,134.65 ; v2(5.59,134.65) v2(6.1,134.65)
  TOP w0.406: R71.2 v2(43.94,165.74) ; U9.2 v2(39.37,166.75) ; R71.1 v2(39.88,165.74) ; R90.2 v2(43.94,48.26) ; U1.2 v2(40.13,46.76) ; U4.2 v2(39.37,23.88) ; U3.5 v2(40.13,53.57) ; R77.2 v2(38.86,147.96) ; R76.1 v2(34.8,173.36) ; R76.2 v2(38.86,173.36) ; R82.2 v2(43.94,147.96) ; R79.2 v2(38.86,52.07) ; R81.2 v2(43.94,153.03) ; R69.2 v2(43.94,173.36) ; R92.2 v2(38.86,33.02) ; R94.1 v2(39.88,30.48) ; R63.1 v2(34.8,144.15) ; R80.1 v2(34.8,40.64) ; R88.1 v2(34.8,22.86) ; U7.5 v2(40.13,149.45) ; R66.2 v2(38.86,139.06) ; R75.1 v2(39.88,155.58) ; U9.5 v2(39.37,172.34) ; U5.5 v2(39.37,39.62) ; R94.2 v2(43.94,30.48) ; R91.2 v2(43.94,57.15) ; R73.2 v2(43.94,22.86) ; U4.5 v2(39.37,29.46) ; U7.2 v2(40.13,151.54) ; U6.2 v2(40.13,142.65) ; R67.2 v2(38.86,153.03) ; R67.1 v2(34.8,153.03) ; R89.2 v2(38.86,48.26) ; R68.1 v2(34.8,155.58) ; R66.1 v2(34.8,139.06) ; R93.2 v2(43.94,52.07) ; R72.1 v2(34.8,43.18) ; R74.1 v2(39.88,40.64) ; R91.1 v2(39.88,57.15) ; R78.2 v2(43.94,43.18) ; R84.1 v2(39.88,163.19) ; R86.2 v2(43.94,33.02) ; U6.5 v2(40.13,140.56) ; R70.2 v2(38.86,165.74) ; R80.2 v2(38.86,40.64) ; R81.1 v2(39.88,153.03) ; R87.2 v2(38.86,30.48) ; R90.1 v2(39.88,48.26) ; R83.2 v2(38.86,163.19) ; R88.2 v2(38.86,22.86) ; R77.1 v2(34.8,147.96) ; R79.1 v2(34.8,52.07) ; R86.1 v2(39.88,33.02) ; R87.1 v2(34.8,30.48) ; R63.2 v2(38.86,144.15) ; R70.1 v2(34.8,165.74) ; R64.1 v2(39.88,144.15) ; U8.2 v2(39.37,156.59) ; R85.1 v2(34.8,57.15) ; R69.1 v2(39.88,173.36) ; R92.1 v2(34.8,33.02) ; U8.5 v2(39.37,162.18) ; U3.2 v2(40.13,55.65) ; R78.1 v2(39.88,43.18) ; U1.5 v2(40.13,44.68) ; R72.2 v2(38.86,43.18) ; R85.2 v2(38.86,57.15) ; R83.1 v2(34.8,163.19) ; R74.2 v2(43.94,40.64) ; R75.2 v2(43.94,155.58) ; U5.2 v2(39.37,34.04) ; R93.1 v2(39.88,52.07) ; R73.1 v2(39.88,22.86) ; R84.2 v2(43.94,163.19) ; R64.2 v2(43.94,144.15) ; R89.1 v2(34.8,48.26)